# KiCad board coleco_original.kicad_pcb (continued)
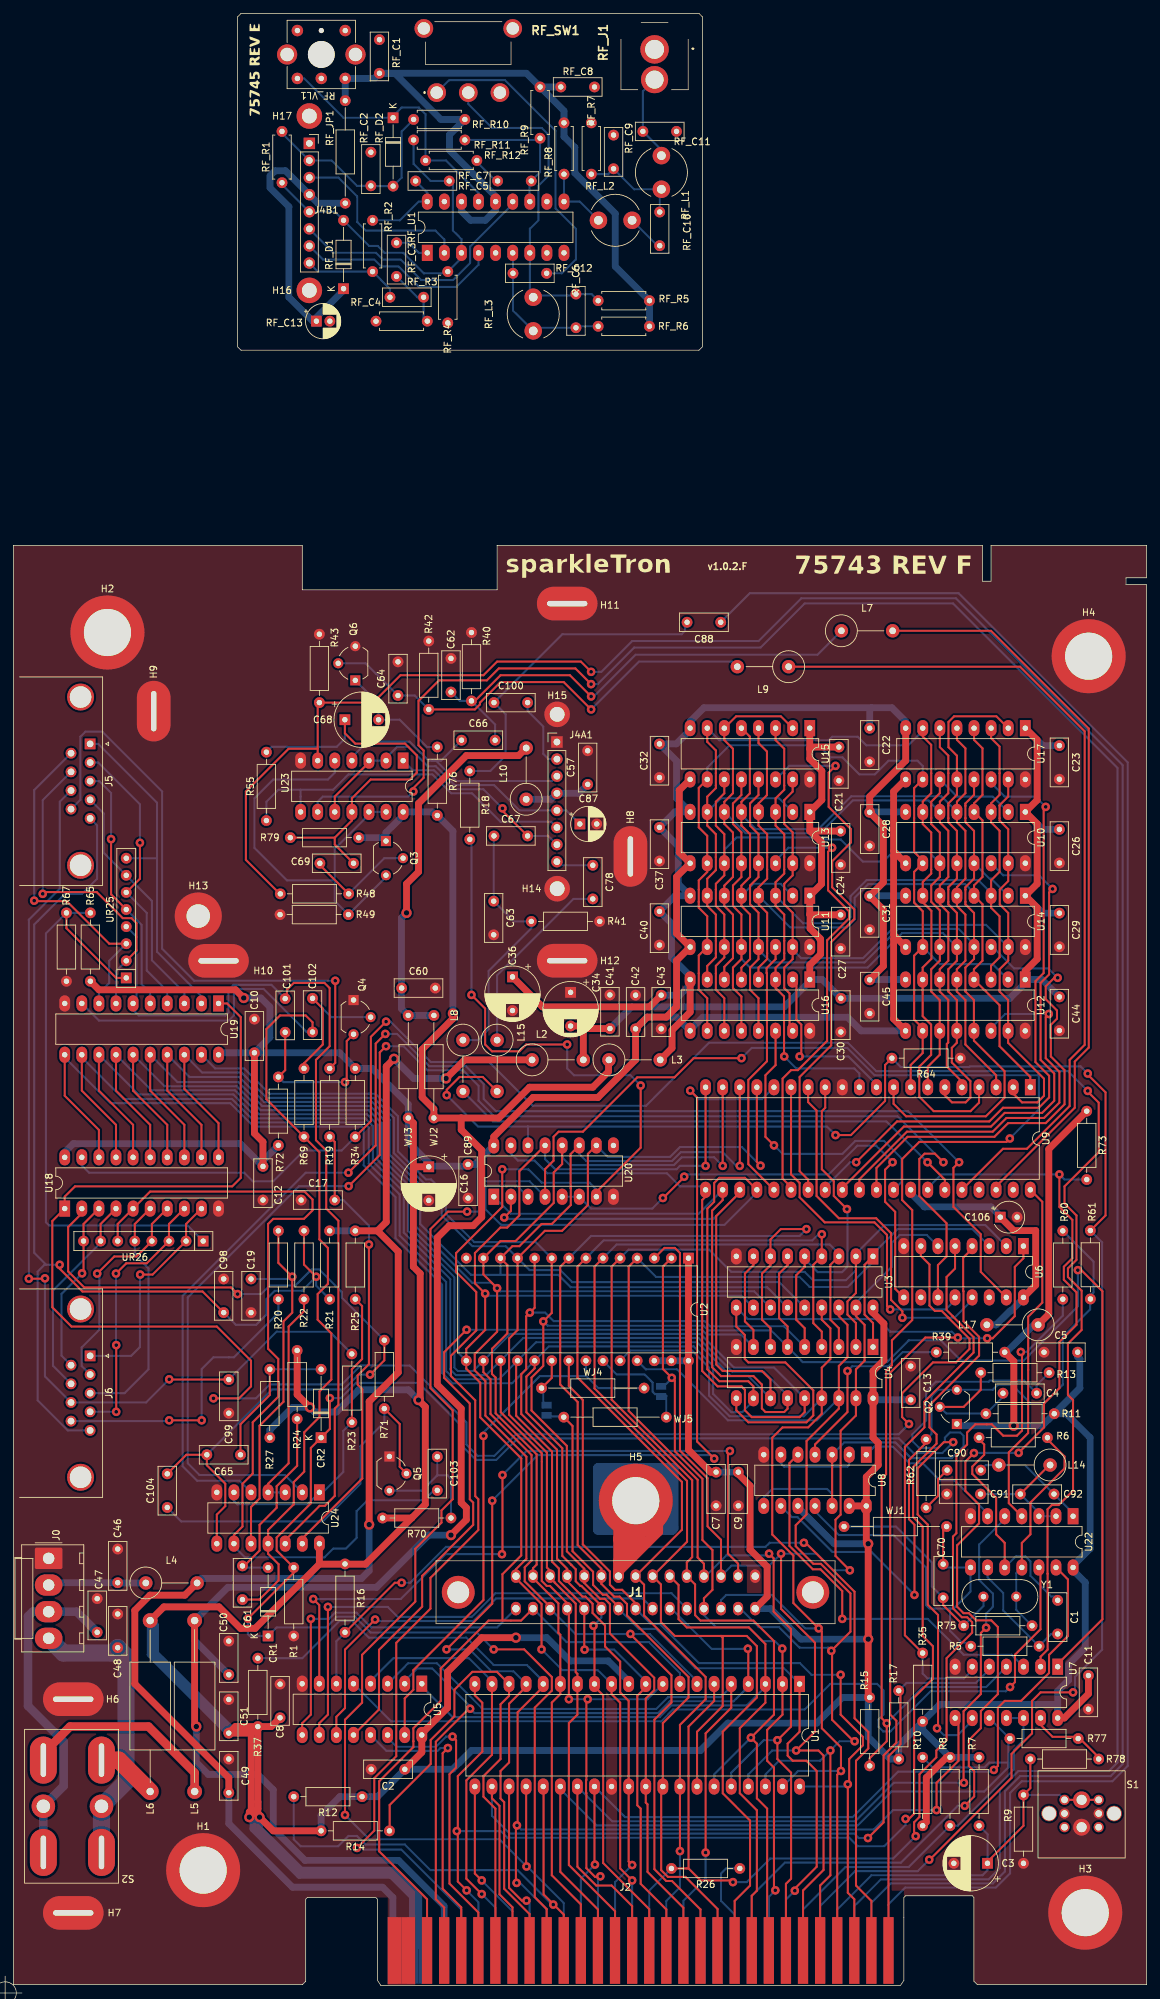
[diagram p0: board, top side]
## Routing (per net, layer and track width the routed paths; a pad name or vN(x,y) marks a point on that pad's centre or on a via; arc(x,y) is an arc through that point) (continued)
/clock_reset_misc_logic/~{M1}: length 134.9
  Top w0.305: v2(144.56,53.17) 143.78,52.39 143.78,43.32 141.21,40.75 141.21,30.18 v2(141.26,30.13) ; 91.95,5.21 91.95,11.81 88.9,14.86 86.61,14.86 83.81,17.66 U1.27
  Bottom w0.305: U22.5 147.33,69.34 143.53,65.54 143.53,60.28 145.58,58.23 145.58,56.3 144.56,55.28 v2(144.56,53.17) ; U1.27 88.98,24.41 125.12,24.41 130.84,30.13 v2(141.26,30.13)
/clock_reset_misc_logic/~{RESET}: length 122.5
  Top w0.305: U1.26 81.28,16.9 86.87,11.3 86.87,5.21
  Bottom w0.305: U1.26 81.28,29.17 86.65,23.8 125.22,23.8 125.47,23.8 130.5,28.83 144.27,28.83 147.86,32.42 ; R10.2 136.62,32.42 144.31,32.42 145.02,33.13 147.86,33.13 147.86,32.42 ; 147.86,32.42 147.86,36.48 R77.2 U7.10
/clock_reset_misc_logic/~{RFSH}: length 126.2
  Top w0.305: v2(86.42,17.97) 86.35,18.04 U1.28 ; 154.94,62.12 156.72,60.35 156.72,51.94 153.91,49.14 153.91,46.45 149.75,42.29 147.32,42.29 146.3,41.28 146.3,32.64 v2(145.7,32.04)
  Bottom w0.305: v2(86.42,17.97) 84.33,15.88 84.33,5.21 ; v2(145.7,32.04) 145.45,31.78 131.48,31.78 124.71,25.02 90.91,25.02 U1.28
/clock_reset_misc_logic/~{WAIT}: length 407.6
  Top w0.305: U20.4 79.01,121.3 80.27,122.56 80.27,126.11 81.03,126.87 84.64,126.87 92.71,134.95 98.25,134.95 101.09,137.8 v2(108.2,137.8) ; R15.2 127.25,33.77 129.79,36.31 v2(129.79,38.97) 129.03,39.73 129.03,75.31 129.69,75.97 129.69,91.31 130.56,92.17 130.56,95.87 133.58,98.89 133.58,115.22 132.08,116.71 132.08,122.81 134.62,125.35 147.57,125.35 v2(148.08,125.86) ; v2(49.27,25.34) 49.27,39.49 51.81,42.03 51.81,49.15 59.72,57.06 59.72,64.89 63.61,68.78 63.61,70.59 65.28,72.26 65.28,85.47 61.98,88.77 61.98,112.4 64.57,114.99 v2(67.43,114.99) ; U1.24 76.19,17.75 v2(76.26,17.69)
  Bottom w0.305: v2(108.2,137.8) 109.73,139.32 123.92,139.32 127.98,135.26 152.26,135.26 152.4,135.12 152.4,130.18 v2(148.08,125.86) ; v2(49.27,25.34) 52.89,21.73 72.22,21.73 v2(76.26,17.69) 76.36,17.69 81.79,12.26 81.79,5.21 ; U20.4 76.71,119.51 69.63,119.51 69.52,119.4 69.52,115.37 69.15,114.99 v2(67.43,114.99) ; U7.4 144.56,44.36 135.16,44.36 129.79,38.99 v2(129.79,38.97)
/controller/~{CTRL_EN_1}: length 215.8
  Top w0.305: v2(49.82,118.78) 54.44,123.4 54.44,138.64 v2(55.37,139.57) ; U6.11 137.4,107.05 138.68,108.33 138.68,113.26 134.63,117.32 134.63,122.82 135.42,123.61 136.94,123.61 v2(138.21,122.34)
  Bottom w0.305: v2(138.21,122.34) 131.39,129.16 71.44,129.16 69.12,131.48 69.12,133.7 66.82,136 61.54,136 57.97,139.57 v2(55.37,139.57) ; U24.2 40.35,75.85 27.65,75.85 25.91,77.6 25.91,102.24 42.45,118.78 v2(49.82,118.78)
/controller/~{CTRL_EN_2}: length 210.4
  Top w0.305: v2(49.78,120.78) 53.83,124.83 53.83,139.96 v2(55.27,141.4) ; U6.15 143.76,106.05 143.76,111.64 139.7,115.7 139.7,121.49 v2(140.54,122.34)
  Bottom w0.305: U24.5 33.58,75.01 27.3,75.01 25.15,77.16 25.15,102.49 43.43,120.78 v2(49.78,120.78) ; v2(140.54,122.34) 132.95,129.92 71.7,129.92 69.88,131.73 69.88,133.95 67.23,136.61 61.79,136.61 57,141.4 v2(55.27,141.4)
/controller/~{CTRL_READ}: length 267
  Top w0.305: 134.86,109.87 134.86,108.41 136.14,107.13 136.14,101.04 136.94,100.24 137.96,100.24 138.96,99.23 138.96,99.21 142.09,96.09 142.09,94.59 140.08,92.58 136.65,92.58 132.08,88.01 132.08,84.46 v2(133.1,83.44) ; U19.1 31.75,145.92 33.78,143.89 33.78,120.02 32.51,118.75 9.14,118.75 7.62,117.22 U18.1 5.77,113.6 5.77,100.78 8.64,97.92 30.23,97.92 35.31,92.84 35.31,89.03 33.53,87.25 v2(29.72,87.25)
  Bottom w0.305: v2(29.72,87.25) 36.04,87.25 38.1,89.32 48.8,89.32 51.63,92.14 53.35,92.14 53.37,92.12 58.88,92.12 67.31,83.69 67.31,80.39 68.99,78.71 71.48,78.71 74.68,81.92 131.57,81.92 v2(133.1,83.44)
/cpu/A0: length 205.7
  Top w0.305: v2(91.95,17.91) 91.44,18.42 U1.30 91.44,42.3 90.17,43.56 90.17,48.13 87.92,50.38 87.92,53.51 86.07,55.36 86.07,56.73 85.02,57.79 84.58,57.79 82.3,60.07 82.3,61.92 80.78,63.43 80.78,79.62 75.47,84.93 75.47,90.84 76.2,91.57 76.2,99.44 v2(76.74,99.98) 77.46,100.7 U2.10 ; U9.13 120.65,130.42 120.14,129.92 120.14,121.29 121.92,119.51 121.92,117.32 v2(123.88,115.37) ; U3.5 117.59,106.8 116.33,105.54 116.33,98.93 117.59,97.67 U4.5
  Bottom w0.305: U4.5 114.53,97.95 103.53,97.95 102.77,98.71 80.3,98.71 79.03,99.98 v2(76.74,99.98) ; v2(123.88,115.37) 123.95,115.29 123.95,106.81 123.14,105.99 119.54,105.99 117.59,107.95 U3.5 ; v2(91.95,17.91) 89.41,15.37 89.41,5.21
/cpu/A1: length 355.5
  Top w0.305: U7.1 155.19,47.77 161.85,54.43 161.85,103.16 158.71,106.3 v2(158.19,106.3) ; U4.6 115.05,97.93 113.79,99.19 113.79,105.79 115.05,107.05 U3.6 ; U2.9 80,99.94 v2(78.74,98.68) 78.74,92.08 77,90.33 77,85.44 82.25,80.19 82.25,64.52 84.84,61.93 84.84,59.82 87.19,57.46 87.88,57.46 88.65,56.69 88.65,52.32 95.23,45.73 95.23,43.89 93.97,42.63 U1.31 93.97,27.18 94.23,26.92 94.23,16.89 99.57,11.56 99.57,5.21
  Bottom w0.305: U19.19 29.97,136.27 34.29,136.27 38.05,132.51 53.8,132.51 57.15,129.16 57.15,123.94 61.31,119.77 62.06,119.77 64.26,117.57 64.26,114.68 68.48,110.46 77.62,110.46 U2.9 ; v2(158.19,106.3) 158.19,100.91 157.01,99.73 150.99,93.71 150.99,93.69 150.15,92.85 140.83,92.85 137.79,95.89 133.07,95.89 129.82,92.63 117.3,92.63 U4.6 112.59,97.34 103.28,97.34 102.58,98.05 79.38,98.05 v2(78.74,98.68)
/cpu/A2: length 178.6
  Top w0.305: U4.7 112.51,97.67 111.25,98.93 111.25,105.79 112.51,107.05 U3.7 112.51,110.86 114.05,112.4 v2(117.86,112.4) ; 104.65,5.21 104.65,11.37 99.88,16.14 97.27,16.14 96.27,17.15 96.27,29.32 U1.32 96.52,38.98 100.33,42.8 100.33,45.85 91.19,54.99 91.19,56.69 90.1,57.79 89.28,57.79 87.38,59.69 87.38,61.93 83.85,65.45 83.85,86.71 81.26,89.3 81.26,106.8 U2.8
  Bottom w0.305: v2(117.86,112.4) 116.84,111.38 85.84,111.38 U2.8
/cpu/A3: length 173.7
  Top w0.305: v2(99.06,19.97) U1.33 99.06,38.73 102.87,42.55 102.87,45.85 93.73,54.99 93.73,59.56 92.46,60.83 99.35,67.73 99.35,74.84 83.82,90.37 83.82,106.82 U2.7 ; U4.4 120.13,97.17 118.87,98.43 118.87,107.09 U3.4 120.13,111.62 v2(120.14,111.63)
  Bottom w0.305: U2.7 87.72,110.72 118.72,110.72 119.63,111.63 v2(120.14,111.63) ; 97.03,5.21 97.03,12.57 99.06,14.6 v2(99.06,19.97)
/cpu/A4: length 204
  Top w0.305: 107.19,5.21 107.19,12.57 109.47,14.86 109.47,24.51 105.42,28.57 105.42,37.73 110.49,42.8 110.49,50.43 108.98,51.94 105.16,51.94 ; U4.3 122.67,97.67 121.41,98.93 121.41,107.09 U3.3 ; 105.16,51.94 105.41,51.69 105.41,41.53 101.59,37.71 U1.34 ; 105.16,51.94 98.3,51.94 96.23,54.01 96.23,59.6 95,60.83 100.11,65.95 100.11,74.98 86.36,88.73 86.36,106.82 U2.6
  Bottom w0.305: U2.6 89.65,110.11 121.31,110.11 122.67,108.75 U3.3
/cpu/A5: length 211.1
  Top w0.305: U4.2 125.21,98.44 123.95,99.69 123.95,101.65 125.21,102.9 U3.2 ; U2.5 88.9,106.82 88.9,87.06 100.87,75.09 100.87,63.66 100.08,62.87 100.08,60.83 101.31,59.6 101.31,55.03 102.11,54.23 109.98,54.23 113.03,51.18 113.03,40.26 v2(109.6,36.83) 110.49,35.94 110.49,27.81 112.01,26.29 112.01,5.46 112.27,5.21
  Bottom w0.305: U1.35 104.13,31.36 v2(109.6,36.83) ; U6.2 144.42,113 129.47,113 125.21,108.75 U3.2 125.21,106.29 123.73,104.81 118.84,104.81 117.6,106.05 106.68,106.05 103.38,109.35 91.43,109.35 U2.5
/cpu/A6: length 210.6
  Top w0.305: U2.4 91.44,106.82 91.44,85.38 101.68,75.14 101.68,63.61 102.62,62.68 102.62,60.83 ; v2(112.3,64.17) 112.98,63.49 112.98,55.55 115.55,52.98 115.55,38.46 v2(113.54,36.45) 113.54,33.66 115.57,31.62 115.57,15.88 114.81,15.11 114.81,5.21 ; U4.1 127.75,98.44 126.49,99.69 126.49,107.09 U3.1
  Bottom w0.305: U1.36 106.68,31.62 111.51,36.45 v2(113.54,36.45) ; U2.4 95.5,105.28 116.84,105.28 118.33,103.79 123.99,103.79 127.75,107.56 U3.1 127.75,108.75 131.4,112.4 142.49,112.4 145.02,109.87 ; v2(112.3,64.17) 112.05,63.92 105.95,63.92 102.87,60.83 102.62,60.83
/cpu/A7: length 216.4
  Top w0.305: U2.3 96.76,109.6 98.3,109.6 99.06,108.84 99.06,79.49 103.16,75.39 103.16,68.23 105.16,66.24 105.16,60.83 ; 117.35,5.21 117.35,14.12 120.4,17.17 120.4,34.16 119.63,34.93 v2(116.33,34.93) 119.13,37.72 119.13,50.93 114.08,55.97 v2(114.08,64.17) ; v2(124.31,61.69) 122.17,63.83 122.17,69.22 122.94,69.98 122.94,82.42 125.21,84.7 U4.17 125.21,91.56 126.49,92.84 126.49,98.17 125.21,99.45 U3.17
  Bottom w0.305: 105.16,60.83 106.71,62.39 112.3,62.39 v2(114.08,64.17) 119.41,64.17 121.89,61.69 v2(124.31,61.69) ; v2(116.33,34.93) 112.78,34.93 109.22,31.36 U1.37 ; U3.17 125.21,101.46 130.56,106.81 130.56,110.36 131.72,111.53 135.74,111.53 U6.6
/cpu/A8: length 173.8
  Top w0.305: U3.16 122.67,99.45 123.95,98.17 123.95,93.35 122.67,92.07 U4.16 122.67,85.72 117.87,80.92 117.87,69.99 116.26,68.38 116.26,65.28 118.88,62.66 119.99,62.66 124.39,58.26 124.39,52.58 v2(121.55,49.73) 121.67,49.61 121.67,39.5 124.87,36.29 v2(125.02,36.29) ; v2(121.41,34.93) 121.41,16.38 119.89,14.86 119.89,5.21
  Bottom w0.305: v2(125.02,36.29) 122.78,36.29 v2(121.41,34.93) 119.89,33.4 113.79,33.4 111.75,31.36 U1.38 ; U4.16 119.39,83.98 106.19,83.98 98.61,91.57 93.97,91.57 U2.25 ; v2(121.55,49.73) 121.08,50.2 116.84,50.2 113.79,53.25 110.78,53.25 108.02,56.01 J1.28
/cpu/A9: length 172.3
  Top w0.305: 122.43,5.21 122.43,31.32 v2(122.99,31.88) 122.99,35.38 120.14,38.23 120.14,52.6 v2(119.67,53.07) 115.91,56.83 115.91,63.88 112.78,67.02 112.78,81.41 114.3,82.93 118.11,82.93 120.13,84.95 U4.15 120.13,91.81 121.41,93.09 121.41,97.66 120.13,98.94 U3.15
  Bottom w0.305: U4.15 117.46,84.59 106.45,84.59 103.38,87.66 103.38,91.82 100.84,94.36 91.68,94.36 U2.24 ; v2(119.67,53.07) 117.66,53.07 112.69,58.04 105.92,58.04 105.16,57.28 J1.26 ; U1.39 116.61,31.88 v2(122.99,31.88)
/cpu/A10: length 127.1
  Top w0.305: U2.21 82.54,89.09 84.62,87.02 84.62,65.55 88.65,61.52 88.65,59.56 89.41,58.8 90.47,58.8 92.46,56.81 J1.16 ; v2(122.94,46.18) 122.94,40.26 126.24,36.96 126.24,35.69 124.21,33.66 124.21,30.11 v2(124,29.91) 124,13.79 124.97,12.83 124.97,5.21
  Bottom w0.305: J1.16 94.71,53.76 96.05,53.76 101.89,47.91 116.87,47.91 118.61,46.18 v2(122.94,46.18) ; U1.40 123.67,29.57 v2(124,29.91)
/cpu/A11: length 112
  Top w0.305: U1.1 116.84,37.71 115.06,35.94 115.06,34.16 115.82,33.4 117.86,33.4 119.38,31.88 119.38,17.65 116.13,14.4 v2(116.13,14.09) ; WJ5.1 83.09,83.15 83.09,64.53 86.14,61.48 86.14,59.52 87.6,58.07 88.13,58.07 89.92,56.29 J1.14
  Bottom w0.305: 78.74,84.57 81.68,84.57 WJ5.1 ; v2(116.13,14.09) 114.81,12.77 114.81,5.21 ; J1.14 92.93,52.99 95.5,52.99 101.34,47.15 114.5,47.15 U1.1
/cpu/A12: length 119.1
  Top w0.305: v2(113.23,14.15) 113.03,14.35 113.03,32.39 112.01,33.4 112.01,37.97 114.3,40.25 U1.2 114.3,50.03 v2(114.26,50.06) ; U2.2 96.52,106.82 96.52,91.62 v2(97.84,90.3) 98.3,89.84 98.3,79.39 102.4,75.29 102.4,66.2 103.89,64.71 103.89,58.8 102.62,57.53 J1.24
  Bottom w0.305: 112.27,5.21 112.27,13.18 v2(113.23,14.15) ; 96.77,89.17 97.84,90.24 v2(97.84,90.3) ; v2(114.26,50.06) 113.14,51.18 111.32,51.18 109.25,53.25 104.43,53.25 102.62,55.06 J1.24
/cpu/A13: length 125.5
  Top w0.305: 109.73,5.21 109.73,13.34 110.49,14.1 110.49,26.04 107.95,28.58 107.95,38.23 111.75,42.03 U1.3 111.75,50.75 109.29,53.21 100.08,53.21 98.84,54.44 98.84,59.52 97.54,60.83
  Bottom w0.305: U5.1 60.69,44.45 65.26,39.87 96.03,39.87 97.79,41.63 108.97,41.63 111.75,44.41 U1.3
/cpu/A14: length 115.2
  Top w0.305: U1.4 109.22,49.98 v2(109.15,50.05) ; 64.01,5.21 64.01,11.59 62.77,12.83 62.77,36.23 67.67,41.13 v2(67.87,41.13)
  Bottom w0.305: v2(109.15,50.05) 109.12,50.03 103.77,50.03 97.79,56.01 J1.20 ; U1.4 109.22,44.41 107.04,42.24 97.54,42.24 95.78,40.48 68.52,40.48 v2(67.87,41.13) 67.87,41.48 62.23,47.12 60.02,47.12 58.15,45.25 U5.2
/cpu/A15: length 99.5
  Top w0.305: v2(102.87,19.75) 102.87,37.47 106.68,41.27 U1.5
  Bottom w0.305: U5.3 58.64,47.88 62.94,47.88 69.73,41.09 95.53,41.09 97.29,42.85 105.11,42.85 106.68,44.41 U1.5 ; 99.57,5.21 99.57,12.57 102.87,15.88 v2(102.87,19.75)
/cpu/D0: length 302.6
  Top w0.305: v2(111.03,121.83) 110.49,122.37 U9.17 ; 89.41,5.21 89.41,11.05 82.55,17.91 82.55,38.99 83.81,40.25 U1.14 83.81,46.32 83.57,46.56 83.57,56.74 80.46,59.85 80.46,59.88 79.76,60.58 79.76,61.64 79.28,62.11 79.28,79.19 73.66,84.81 73.66,96.14 74.92,97.4 U2.11 78.98,112.14 81.53,112.14 85.37,115.98 85.37,123.57 86.63,124.83 ; U18.11 30.48,128.14 25.4,133.22 U19.18
  Bottom w0.305: U3.14 113.8,104.52 83.06,104.52 81.28,106.3 76.7,106.3 U2.11 73.15,109.86 68.23,109.86 63.65,114.43 63.65,117.32 61.81,119.17 61.06,119.17 56.54,123.69 56.54,128.91 53.55,131.9 53.08,131.9 37.65,131.9 33.88,135.66 28.04,135.66 U19.18 ; 86.63,124.83 88.33,123.12 97.6,123.12 99.06,124.59 108.27,124.59 v2(111.03,121.83)
/cpu/D1: length 307
  Top w0.305: v2(107.95,121.79) 107.94,121.8 U9.18 ; U18.12 27.94,127.89 22.86,132.97 U19.17 ; U20.11 82.8,123.54 82.8,118.49 82.83,118.46 82.83,115.98 80.01,113.16 78.49,113.16 75.19,109.86 74.15,109.86 U2.12 73.41,107.06 73.41,96.9 71.12,94.62 71.12,90.87 71.66,90.33 71.66,85.03 77.76,78.93 77.76,62.55 77.22,62 77.22,60.55 80.99,56.78 80.99,52.41 81.28,52.12 U1.15 81.28,43.31 80.01,42.04 80.01,16.38 84.33,12.07 84.33,5.21
  Bottom w0.305: U19.17 26.16,135 33.53,135 37.24,131.29 52.83,131.29 53.3,131.29 55.93,128.66 55.93,123.44 60.45,118.91 60.45,113.15 68,105.6 72.46,105.6 ; 72.46,105.6 80.96,105.6 82.8,103.76 112.02,103.76 U3.13 ; 72.46,105.6 72.38,105.68 U2.12 ; U20.11 84.09,123.56 85.13,122.51 97.88,122.51 99.19,123.83 105.41,123.83 107.44,121.79 v2(107.95,121.79)
/cpu/D2: length 312.2
  Top w0.305: U20.12 81.55,122.06 80.29,120.8 80.29,116.29 74.62,110.62 72.38,110.62 U2.13 69.84,105.66 v2(71.88,103.62) 71.88,97.16 68.56,93.83 68.56,91.4 70.14,89.82 70.14,84.68 76.23,78.58 76.23,63.41 74.68,61.85 74.68,60.83 ; v2(78.49,49.95) 78.49,56.69 74.68,60.5 ; v2(91.95,15.62) 90.17,17.4 90.17,42.03 88.9,43.31 U1.12 ; U18.13 25.4,127.89 20.32,132.97 U19.16 ; v2(105.41,121.79) 105.41,121.8 U9.19
  Bottom w0.305: v2(78.49,49.95) 81.57,46.86 86.84,46.86 U1.12 ; v2(105.41,121.79) 104.14,123.06 99.31,123.06 98.16,121.9 82.69,121.9 81.55,123.05 U20.12 ; U19.16 24.38,134.24 33.43,134.24 36.99,130.68 53.04,130.68 55.32,128.41 55.32,123.18 59.84,118.66 59.84,112.75 68.16,104.44 71.07,104.44 v2(71.88,103.62) 72.35,103.15 110.09,103.15 U3.12 ; 91.95,5.21 v2(91.95,15.62)
/cpu/D3: length 353.4
  Top w0.305: v2(102.87,121.79) 102.87,121.8 U9.20 ; U20.13 75.19,121 75.19,114.43 73.38,112.62 72.37,112.62 68.58,108.84 68.58,104.34 v2(70.1,102.81) 70.1,97.41 67.3,94.61 U2.15 67.3,91.65 69.38,89.57 69.38,84.42 75.47,78.33 75.47,63.92 72.68,61.12 72.68,54.26 72.68,54.26 ; U18.14 22.86,127.89 17.78,132.97 U19.15 ; J1.4 75.44,54.23 70.61,54.23 63.5,47.12 63.5,42.29 59.43,38.22 59.43,36.31 59.44,36.3 59.44,35.43 54.36,30.35 54.36,19.94 61.47,12.83 61.47,5.21
  Bottom w0.305: v2(102.87,121.79) 99.06,121.79 98.56,121.3 80.51,121.3 79.01,122.79 U20.13 ; U1.8 99.06,46.43 94.45,51.03 82.19,51.03 J1.4 ; U3.11 108.21,102.49 70.43,102.49 v2(70.1,102.81) ; U19.15 22.45,133.63 33.18,133.63 36.73,130.07 52.79,130.07 54.71,128.15 54.71,122.93 59.23,118.41 59.23,112.42 66.14,105.51 66.14,94 U2.15
/cpu/D4: length 364
  Top w0.305: U2.16 69.84,91.14 70.9,90.08 70.9,84.93 77,78.83 77,63.15 75.98,62.14 75.98,60.06 79.76,56.29 J1.6 ; v2(91.69,52.25) 91.69,52.2 97.79,46.1 97.79,42.04 95.26,39.5 95.26,17.29 97.02,15.53 97.88,15.53 102.11,11.3 102.11,5.21 ; U19.14 15.24,132.97 20.32,127.89 U18.15 ; U9.21 102.87,117.22 102.36,116.71 102.36,91.31 104.65,89.03 108.2,89.03 108.71,88.52 108.71,85.47 109.73,84.46 116.84,84.46 117.59,85.21 U4.14
  Bottom w0.305: U9.21 102.36,118.75 99.06,118.75 97.12,120.69 79.34,120.69 77.44,122.59 74.96,122.59 73.93,123.62 U20.15 ; J1.6 83.53,52.23 91.68,52.23 v2(91.69,52.25) 91.71,52.23 94.58,52.23 101.59,45.21 U1.7 ; U4.14 113.03,91.82 107.08,91.82 102.07,96.83 73.83,96.83 U2.16 68.31,91.31 66.04,91.31 65.53,91.82 65.53,105.26 58.62,112.16 58.62,118.16 54.1,122.68 54.1,127.9 52.54,129.46 36.48,129.46 32.92,133.02 20.52,133.02 U19.14
/cpu/D5: length 349.6
  Top w0.305: U19.13 12.7,132.97 17.78,127.89 U18.16 ; U9.22 105.41,116.71 103.84,115.14 103.84,91.87 105.16,90.55 109.98,90.55 111.23,89.3 111.23,85.75 111.76,85.22 114.55,85.22 115.05,85.72 U4.13 ; U2.17 72.42,92.8 72.42,85.18 78.52,79.09 78.52,77.89 ; 78.52,77.83 78.52,60.11 79.26,59.38 79.73,59.38 82.3,56.81 J1.8 82.55,55.75 v2(82.55,42.55) ; 86.69,16.23 86.6,16.14 86.45,16.14 85.15,17.44 85.15,28.6 85.1,28.65 85.1,30.49 85.15,30.54 85.15,42.35 v2(85.34,42.55)
  Bottom w0.305: U19.13 18.59,132.41 32.67,132.41 36.23,128.85 52.29,128.85 53.42,127.73 53.42,122.48 58.01,117.88 58.01,111.89 64.92,104.98 64.92,91.54 65.76,90.7 70.24,90.7 U2.17 75.76,96.22 101.82,96.22 106.84,91.19 111.52,91.19 115.05,87.66 U4.13 ; U1.9 94.25,42.55 v2(85.34,42.55) v2(82.55,42.55) ; U20.1 73.91,114.68 101.85,114.68 U9.22 ; v2(87.22,16.23) 86.87,15.88 86.87,5.21
/cpu/D6: length 340.5
  Top w0.305: U2.18 74.71,92.63 74.71,84.68 80.04,79.34 80.04,62.99 81.07,61.96 81.07,60.11 84.84,56.34 J1.10 84.84,49.96 v2(84.89,49.91) ; U19.12 10.16,132.97 15.24,127.89 U18.17 ; U20.2 73.93,115.11 v2(72.94,114.11) ; U1.10 93.97,44.32 92.72,43.06 92.72,26.79 93.22,26.29 93.22,15.11 97.03,11.3 97.03,5.21 ; U9.23 107.94,117.84 104.45,114.34 104.45,92.28 105.41,91.31 111.25,91.31 112.51,90.05 U4.12
  Bottom w0.305: v2(84.89,49.91) 89.28,49.91 93.97,45.21 U1.10 ; U19.12 10.16,137.9 16.33,131.73 32.48,131.73 35.97,128.24 52.04,128.24 52.81,127.47 52.81,122.1 52.85,122.1 57.39,117.55 57.39,111.46 64.31,104.54 64.31,91.29 65.51,90.09 72.17,90.09 U2.18 77.66,95.58 101.6,95.58 106.59,90.59 109.19,90.59 U4.12 ; U9.23 107.94,117.84 104.03,113.92 73.13,113.92 v2(72.94,114.11)
/cpu/D7: length 360.6
  Top w0.305: v2(86.2,53.47) 86.35,53.31 U1.13 86.35,44.41 87.64,43.13 87.64,18.21 94.49,11.36 94.49,5.21 ; U4.11 109.97,89.04 109.22,89.79 104.9,89.79 103.12,91.57 103.12,115.44 104.14,116.46 104.14,119.25 104.9,120.02 108.71,120.02 U9.24 ; U2.19 77.46,91.71 76.23,90.48 76.23,85.18 81.57,79.85 81.57,63.85 82.91,62.51 83.57,61.85 83.57,60.07 84.26,59.38 84.42,59.38 87.38,56.42 J1.12 ; U19.11 7.62,132.21 12.7,127.13 U18.18
  Bottom w0.305: 76.47,117.21 74.81,118.86 70.13,118.86 70.13,115.38 72.48,113.02 105.67,113.02 110.49,117.84 U9.24 ; U4.11 109.97,86.86 108.31,85.2 106.7,85.2 103.99,87.91 103.99,92.07 101.09,94.97 79.59,94.97 U2.19 74.1,89.48 65.26,89.48 63.7,91.04 63.7,104.13 56.78,111.06 56.78,117.15 52.06,121.87 52.06,127.36 51.8,127.62 35.71,127.62 32.22,131.11 14.41,131.11 7.62,137.9 U19.11 ; J1.12 87.38,54.64 v2(86.2,53.47)
/cpu/~{BUSAK}: length 26
  Top w0.305: U1.23 73.66,14.52 75.56,12.62 v2(76.24,12.62)
  Bottom w0.305: 76.71,5.21 76.71,12.15 v2(76.24,12.62)
/cpu/~{BUSRQ}: length 76.1
  Top w0.305: 81.79,5.21 81.79,10.54 80.45,11.87 ; U1.25 78.79,29.52 78.79,13.54 80.45,11.87 ; 80.45,11.87 80.3,12.03 v2(80.23,12.03)
  Bottom w0.305: R12.2 41.66,21.72 42.67,20.7 48.26,20.7 49.78,22.23 51.05,22.23 52.32,20.96 58.17,20.96 61.98,17.15 74.93,17.15 80.05,12.03 v2(80.23,12.03)
/cpu/~{HALT}: length 76.8
  Top w0.305: R14.1 55.91,23.02 55.91,26.83 62.01,32.93 62.01,36.48 65.53,40.01 65.53,43.95 68.2,46.61 71.86,46.61 U1.18 73.66,43.05 72.39,41.78 72.39,33.66 69.85,31.12 69.85,28.07 71.63,26.29 71.63,5.21
/cpu/~{IORQ}: length 207.6
  Top w0.305: v2(132.59,24.77) 133.1,24.77 133.86,25.53 133.86,42.8 136.65,45.59 136.65,50.42 135.13,51.94 135.13,68.2 133.71,69.62 133.71,77.04 137.19,80.52 137.19,81.88 136.14,82.93 136.14,86.23 143.51,93.6 143.51,96.39 141.2,98.71 141.2,103.17 141.15,103.22 141.15,108.14 142.48,109.47 142.48,109.87 ; U1.20 68.58,43.13 69.68,42.02 69.68,34.75 66.04,31.12 66.04,23.09 v2(65.9,22.95) 66.04,22.8 66.04,15.45 v2(67.35,14.14)
  Bottom w0.305: v2(132.59,24.77) 132.59,23.87 129.42,20.7 125.48,20.7 124.21,21.97 73.41,21.97 72.43,22.95 v2(65.9,22.95) ; v2(67.35,14.14) 69.09,12.41 69.09,5.21
/cpu/~{MREQ}: length 64.6
  Top w0.305: v2(69.6,13.59) 67.31,15.88 67.31,30.48 71.12,34.29 U1.19
  Bottom w0.305: U5.4 53.07,45.25 56.47,48.64 67.69,48.64 71.12,45.21 U1.19 ; 71.63,5.21 71.63,11.56 v2(69.6,13.59)
/cpu/~{NMI}: length 187.7
  Top w0.305: 76.71,5.21 76.71,10.61 72.93,14.39 72.93,27.24 72.39,27.79 72.39,31.88 73.66,33.15 73.66,41.88 76.19,44.41 U1.17 ; v2(100.58,132.97) 101.6,131.95 101.6,80.84 v2(104.14,78.3) ; v2(64.36,49.95) 71.15,56.74 v2(71.15,72.04)
  Bottom w0.305: U9.16 111.25,131.7 101.85,131.7 v2(100.58,132.97) ; v2(104.14,78.3) 103.62,78.82 77.93,78.82 v2(71.15,72.04) ; v2(64.36,49.95) 67.78,49.95 71.03,46.7 74.31,46.7 U1.17
/cpu/~{RD}: length 26.7
  Top w0.305: U1.21 68.58,16.64 v2(69.6,15.62)
  Bottom w0.305: v2(69.6,15.62) 74.17,11.05 74.17,5.21
/cpu/~{WR}: length 264.6
  Top w0.305: U1.22 71.12,27.82 72.24,26.7 72.24,13.56 74.17,11.63 74.17,5.21 ; v2(140.35,96.28) 135.53,96.28 130.3,91.06 130.3,40.26 131.22,39.34 131.22,36.09 129.32,34.2 129.32,24.24 v2(127,21.92) ; U3.10 107.43,97.93 108.69,96.67 108.69,93.11 109.22,92.58 114.72,92.58 118.87,88.43 118.87,84.71 117.86,83.69 109.22,83.69 107.43,85.48 U4.10 ; U6.1 150.1,108.06 148.82,106.78 148.82,99.46 145.52,96.17 v2(144.73,96.17)
  Bottom w0.305: U3.10 109.12,99.03 128.42,99.03 130.3,97.16 139.48,97.16 v2(140.35,96.28) 140.46,96.17 v2(144.73,96.17) ; v2(127,21.92) 125.63,21.92 124.97,22.58 73.76,22.58 71.12,25.22 U1.22
/decoder_logic/AUX_DECODE_1: length 148.3
  Top w0.305: v2(57.69,59.85) 56.68,59.85 49.28,52.45 ; 127.51,5.21 127.51,12.57 125.22,14.86 125.22,33.4 127.05,35.23 127.05,37.67 125,39.72 125,58.51 117.73,65.79 v2(117.47,65.79)
  Bottom w0.305: v2(57.69,59.85) 58.96,59.85 64.3,65.19 111.77,65.19 112.38,65.79 v2(117.47,65.79) ; 49.28,52.45 47.99,51.17 U5.6
/decoder_logic/~{CS_h2000}: length 45.4
  Top w0.305: v2(65.25,36.98) 65.79,36.45 65.79,32.39 64.8,31.4 64.8,15.15 69.09,10.86 69.09,5.21
  Bottom w0.305: v2(65.25,36.98) 64.29,36.98 62.79,35.48 56.95,35.48 55.61,36.83 U5.14
/decoder_logic/~{CS_h4000}: length 44.2
  Top w0.305: 66.55,5.21 66.55,11.63 63.79,14.39 63.79,34.52 v2(64.56,35.29)
  Bottom w0.305: v2(64.56,35.29) 63.46,35.29 63.04,34.87 55.42,34.87 U5.13
/decoder_logic/~{CS_h8000}: length 62.9
  Top w0.305: v2(53.74,54.38) 49.27,49.91 49.27,41.22 47.99,39.94 U5.11
  Bottom w0.305: J1.18 93.47,57.53 71.73,57.53 68.36,54.16 53.96,54.16 v2(53.74,54.38)
/decoder_logic/~{CS_hA000}: length 75.9
  Top w0.305: U5.10 45.45,38.97 46.73,40.26 46.73,56.26 v2(46.74,56.26)
  Bottom w0.305: J1.22 97.79,58.29 71.63,58.29 68.11,54.77 57.12,54.77 55.63,56.26 v2(46.74,56.26)
/decoder_logic/~{CS_hC000}: length 50.7
  Top w0.305: U5.9 42.91,38.97 44.19,40.26 44.19,54.48 v2(44.2,54.48)
  Bottom w0.305: v2(44.2,54.48) 46.89,54.48 47.81,55.4 51,55.4 53.19,53.21 71.88,53.21 J1.2
/decoder_logic/~{CS_hE000}: length 110.2
  Top w0.305: U5.7 45.45,56.53 v2(44.55,57.43) ; v2(106.48,79.43) 106.18,79.13 106.18,64.19 107.7,62.68 107.7,60.83 ; v2(72.68,75.85) 72.68,64.17 v2(72.6,64.09)
  Bottom w0.305: v2(44.55,57.43) 57.56,57.43 64.22,64.09 v2(72.6,64.09) ; v2(72.68,75.85) 76.25,79.43 v2(106.48,79.43)
/decoder_logic/~{CSR}: length 54.1
  Top w0.305: v2(130.3,100.46) 129.83,100.93 129.83,111.53 127.97,113.4 120.57,113.4 116.84,117.13 116.84,119.25 115.56,120.53 U9.15
  Bottom w0.305: U6.12 139.94,101.85 138.55,100.46 v2(130.3,100.46)
/decoder_logic/~{CSW}: length 55.2
  Top w0.305: v2(132.11,99.22) 132.11,100.19 130.44,101.87 130.44,111.79 128.22,114 122.67,114 119.36,117.32 119.36,130.01 118.1,131.26 U9.14
  Bottom w0.305: v2(132.11,99.22) 139.85,99.22 142.48,101.85 142.48,102.25
/decoder_logic/~{RAM_CS}: length 129
  Top w0.305: U5.12 54.33,41.02 54.33,49.88 60.74,56.3 60.74,60.87 68.33,68.45 68.33,71.76 67.82,72.26 67.82,86.49 64.01,90.3 64.01,94.11 v2(67.34,97.44) ; U3.8 109.97,107.05 108.71,105.79 108.71,98.68 109.97,97.42 U4.8
  Bottom w0.305: v2(67.34,97.44) 67.35,97.44 102.32,97.44 103.03,96.73 108.12,96.73 U4.8
/decoder_logic/~{ROM_ENABLE}: length 82.4
  Top w0.305: U5.15 58.15,42.67 59.43,43.95 59.43,46.86 69.85,57.28 v2(69.85,81.66)
  Bottom w0.305: v2(69.85,81.66) 69.85,82.17 78.23,90.55 85.08,90.55 U2.22 85.08,90.63 86.94,88.77 WJ4.2
/decoder_logic/~{SND_ENABLE}: length 76.5
  Top w0.305: U6.9 131.05,103.52 131.05,114.95 129.54,116.46 129.54,121.22 v2(130.66,122.34) ; v2(96.52,117.02) 96.57,117.02 99.68,120.13 v2(99.68,120.19)
  Bottom w0.305: v2(99.68,120.19) 100.02,120.52 121.16,120.52 125.43,124.79 128.2,124.79 v2(130.66,122.34) ; U20.5 U20.6 85.85,115.44 94.94,115.44 v2(96.52,117.02)
/io_ports/EXT_SOUND: length 279.7
  Bottom w0.305: 130.05,5.21 130.05,12.07 132.54,14.56 146.01,14.56 148.12,16.67 148.12,28.61 149.86,30.35 163.32,30.35 165.61,32.64 165.61,181.74 140.46,206.88 109.43,206.88 C88.1
/io_ports/EXT_VIDEO: length 361.9
  Top w0.305: v2(59.44,177.42) 59.44,177.93 60.96,179.45 60.96,183.52 60.2,184.28 60.2,190.88 63.25,193.93 70.36,193.93 72.14,195.71 83.51,195.71 v2(85.85,193.37)
  Bottom w0.305: v2(59.44,177.42) 58.67,176.66 45.97,176.66 45.22,175.9 U23.9 ; 124.97,5.21 124.97,11.81 128.94,15.78 144.94,15.78 146.59,17.43 146.59,29.12 149.35,31.88 162.81,31.88 164.08,33.15 164.08,180.92 139.64,205.36 117.59,205.36 111.03,198.81 92.25,198.81 86.82,193.37 v2(85.85,193.37)
/io_ports/EXT_VIDEO_SEL: length 385.1
  Top w0.305: v2(85.85,195.2) 84.33,196.72 71.88,196.72 69.85,194.69 57.52,194.69 53.45,190.63 R43.2 45.22,190.38 45.22,183.76 ; U23.6 45.22,183.76 ; 45.22,183.76 40.89,183.76 34.54,177.42 34.54,167.26 39.62,162.18